# Altium PCB UmTRXv2.PcbDoc (part 17 of 25) (continued)
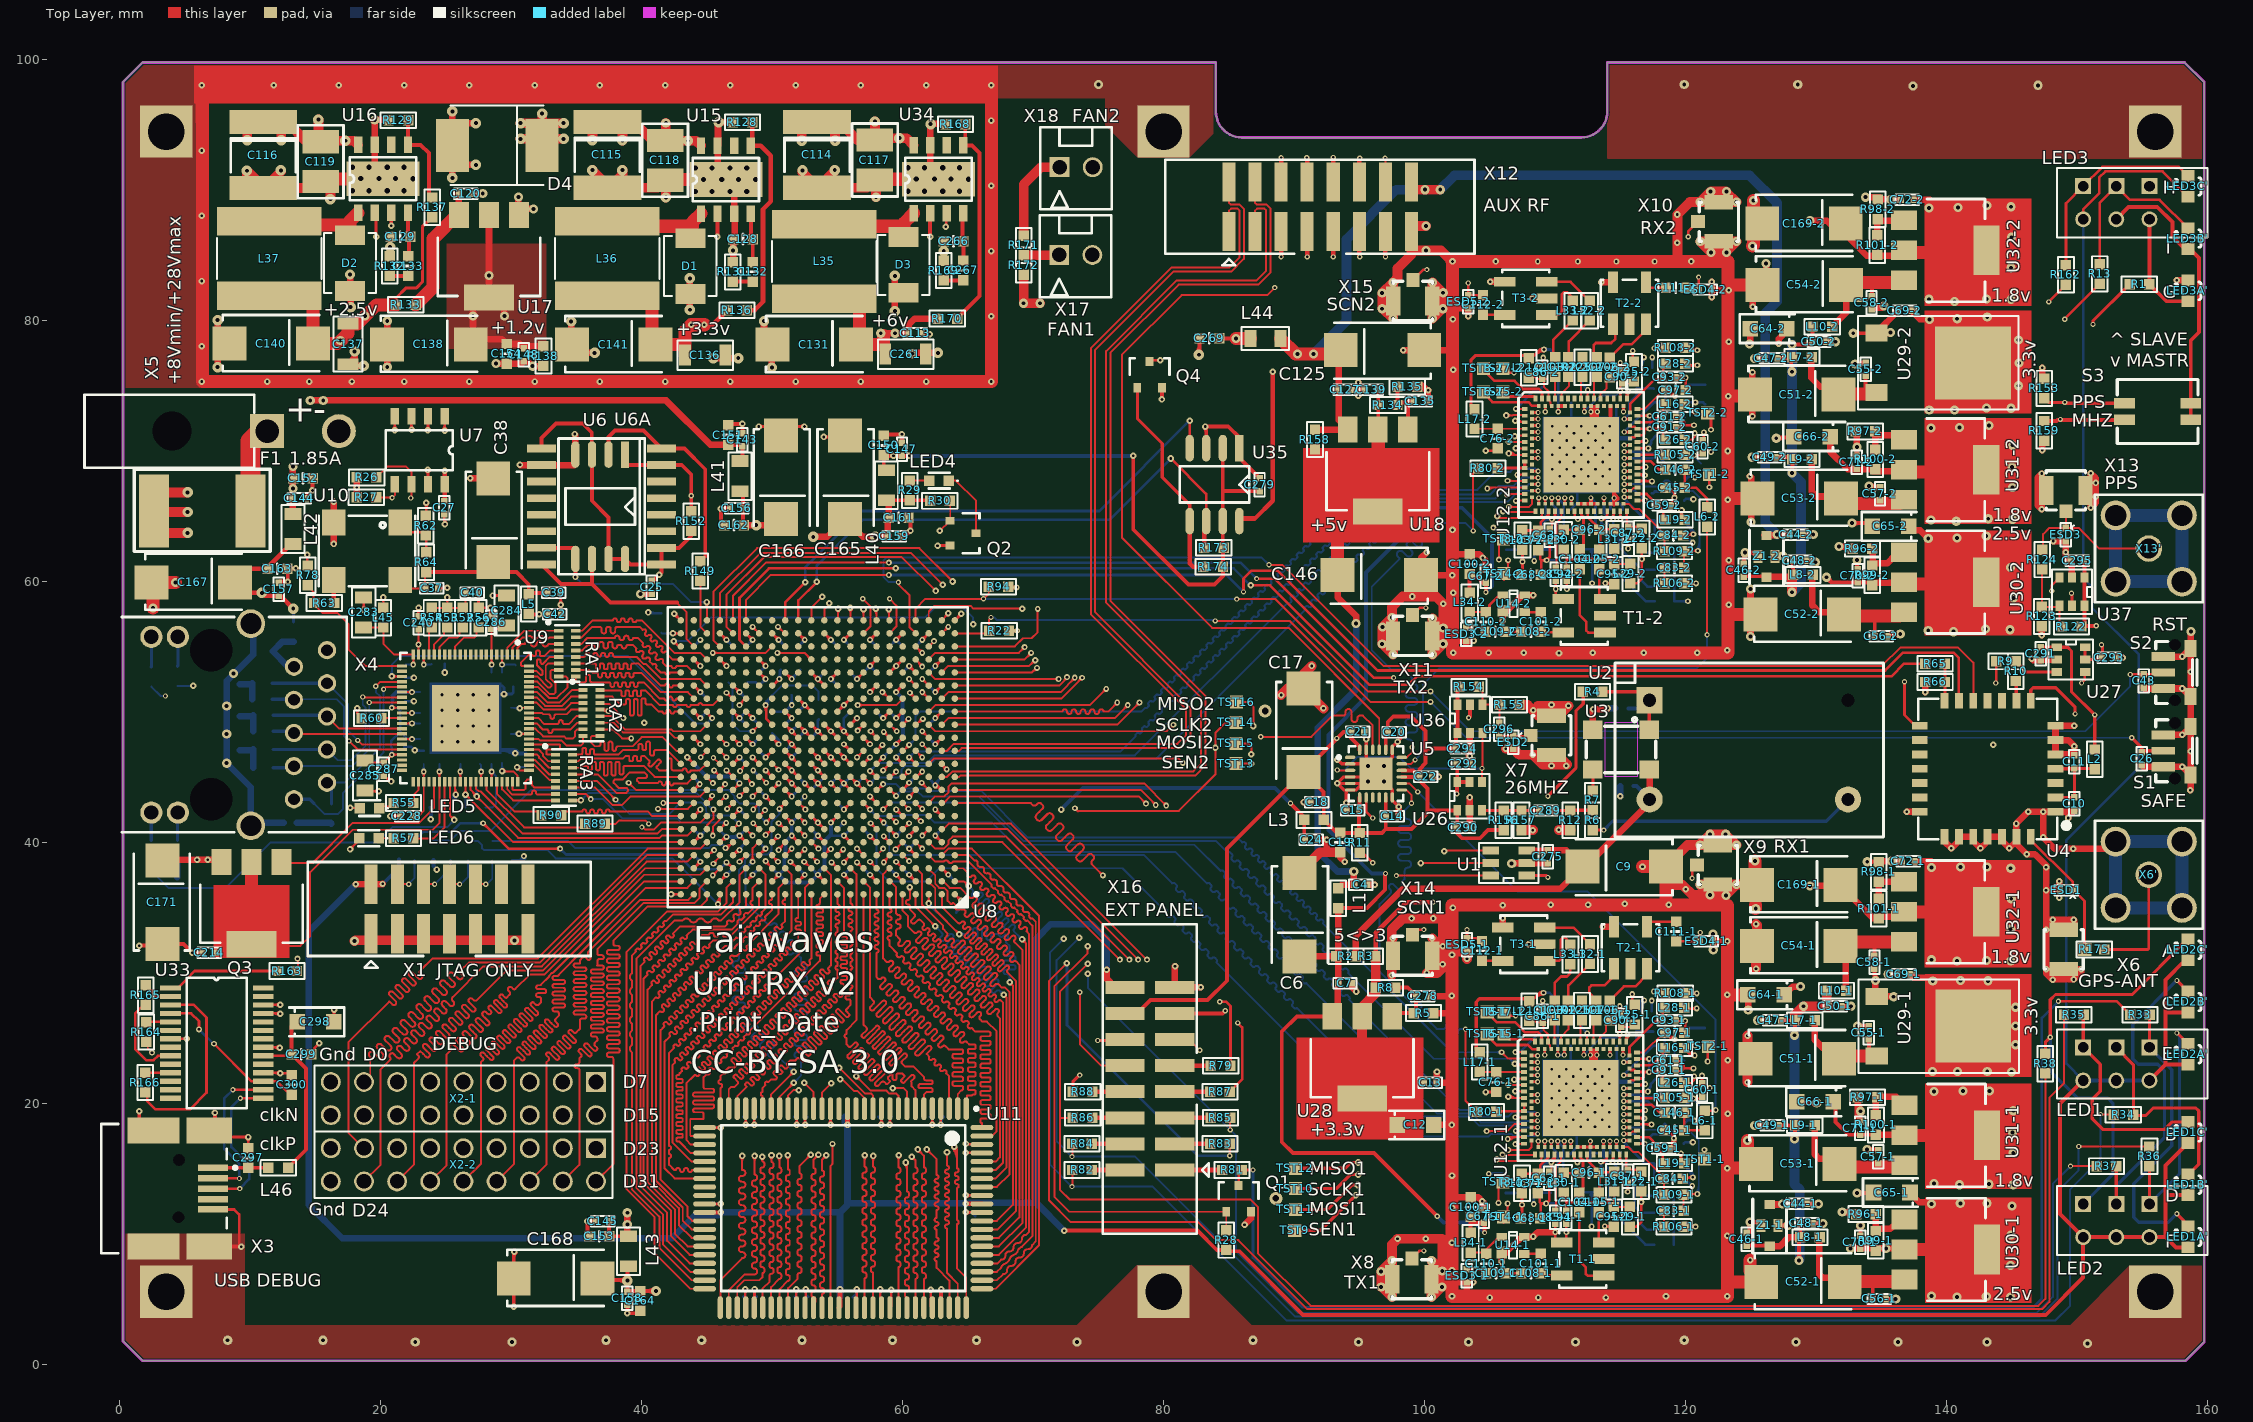
[diagram p0: Top Layer view]
## Nets (pads, with @x,y where several pads share a name; then routed paths per layer and width w, separated by ;. In a path a pad name is that pad's centre, name@x,y a point inside that pad or via, vN(x,y) a via of type N, cw(c..) or ccw(c..) an arc to the next point about the centre after c; other vN are vias at no path point) (continued)
  MidLayer1 w0.15: v1(49.25,15.9) 49.55,16.201 49.55,37.6 v2(50.45,38.5) ; v2@50.275,38.5 cw(c49.853,38.5) 50.151,38.201 cw(c50.45,37.903) v2@50.45,38.325 ; v1@49.25,16.075 ccw(c49.25,16.495) 49.547,16.198 ; v1@49.25,16.075 ccw(c49.25,16.495) 49.547,16.198 ; v1@49.25,16.075 ccw(c49.25,16.495) 49.547,16.198 ; v1@49.425,15.9 cw(c49.85,15.9) 49.549,16.201 ; v1@49.425,15.9 cw(c49.85,15.9) 49.549,16.201 ; v1@49.425,15.9 cw(c49.85,15.9) 49.549,16.201 ; 50.194,38.244 cw(c50.45,37.988) 50.45,38.35 ccw(c50.45,37.988) 50.194,38.244 ; 50.194,38.244 ccw(c49.938,38.5) 50.3,38.5 cw(c49.938,38.5) 50.194,38.244 ; v2(50.45,38.5) ccw(c50.541,38.17) 50.21,38.259 cw(c50.541,38.17) v2(50.45,38.5) ; v2(50.45,38.5) cw(c50.12,38.591) 50.209,38.26 ccw(c50.12,38.591) v2(50.45,38.5)
RAM_D07: U8.C15 U11.52 | length 51.2
  Top Layer w0.15: U11.52@46.675,4.325 46.675,5.65 47.9,6.875 48.65,6.875 ccw(c48.65,7.075) 48.85,7.075 48.85,7.125 ccw(c48.65,7.125) 48.65,7.325 cw(c48.65,7.525) 48.45,7.525 48.45,7.575 cw(c48.65,7.575) 48.65,7.775 ccw(c48.65,7.975) 48.85,7.975 48.85,8.025 ccw(c48.65,8.025) 48.65,8.225 cw(c48.65,8.425) 48.45,8.425 48.45,8.475 cw(c48.65,8.475) 48.65,8.675 ccw(c48.65,8.875) 48.85,8.875 48.85,8.925 ccw(c48.65,8.925) 48.65,9.125 cw(c48.65,9.325) 48.45,9.325 48.45,9.375 cw(c48.65,9.375) 48.65,9.575 ccw(c48.65,9.775) 48.85,9.775 48.85,9.825 ccw(c48.65,9.825) 48.65,10.025 cw(c48.65,10.225) 48.45,10.225 48.45,10.275 cw(c48.65,10.275) 48.65,10.475 ccw(c48.65,10.675) 48.85,10.675 48.85,10.725 ccw(c48.65,10.725) 48.65,10.925 cw(c48.65,11.125) 48.45,11.125 48.45,11.175 cw(c48.65,11.175) 48.65,11.375 ccw(c48.65,11.575) 48.85,11.575 48.85,11.625 ccw(c48.65,11.625) 48.65,11.825 cw(c48.65,12.025) 48.45,12.025 48.45,12.075 cw(c48.65,12.075) 48.65,12.275 ccw(c48.65,12.475) 48.85,12.475 48.85,12.525 ccw(c48.65,12.525) 48.65,12.725 cw(c48.65,12.925) 48.45,12.925 48.45,12.975 cw(c48.65,12.975) 48.65,13.175 ccw(c48.65,13.375) 48.85,13.375 48.85,13.425 ccw(c48.65,13.425) 48.65,13.625 cw(c48.65,13.825) 48.45,13.825 48.45,13.875 cw(c48.65,13.875) 48.65,14.075 ccw(c48.65,14.275) 48.85,14.275 48.85,14.325 ccw(c48.65,14.325) 48.65,14.525 v1(48.65,15.95) ; v2@49.5,38.375 cw(c49.5,38.073) 49.713,38.287 ; v2@49.675,38.55 ccw(c50.218,38.55) U8.C15@49.834,38.166 ; 49.709,38.331 ccw(c49.404,38.25) v2(49.5,38.55) ; U8.C15@50,38 49.5,38.5 v2(49.5,38.55) ; v1@48.526,15.826 cw(c48.228,15.528) 48.65,15.528 ; v1@48.526,15.826 cw(c48.228,15.528) 48.65,15.528 ; v1@48.526,15.826 cw(c48.228,15.528) 48.65,15.528 ; 48.65,15.528 cw(c49.072,15.528) v1@48.774,15.826 ; 48.65,15.528 cw(c49.072,15.528) v1@48.774,15.826 ; 48.65,15.528 cw(c49.072,15.528) v1@48.774,15.826 ; v2(49.5,38.55) ccw(c49.784,38.597) 49.709,38.319 cw(c49.784,38.597) v2(49.5,38.55) ; v2(49.5,38.55) cw(c49.359,38.173) 49.748,38.277 ccw(c49.359,38.173) v2(49.5,38.55) ; v2@49.5,38.4 cw(c49.5,38.159) 49.671,38.329 ccw(c49.5,38.159) v2@49.5,38.4 ; v2@49.65,38.55 ccw(c50.133,38.55) 49.791,38.209 cw(c50.133,38.55) v2@49.65,38.55
  MidLayer1 w0.15: v1(48.65,15.95) 49.2,16.5 49.2,38.25 v2(49.5,38.55) ; v2@49.325,38.55 cw(c48.903,38.55) 49.201,38.251 cw(c49.5,37.953) v2@49.5,38.375 ; v1@48.65,16.125 ccw(c48.65,16.547) 48.949,16.249 ; v1@48.65,16.125 ccw(c48.65,16.547) 48.949,16.249 ; v1@48.65,16.125 ccw(c48.65,16.547) 48.949,16.249 ; v1@48.825,15.95 cw(c49.247,15.95) 48.949,16.249 ; v1@48.825,15.95 cw(c49.247,15.95) 48.949,16.249 ; v1@48.825,15.95 cw(c49.247,15.95) 48.949,16.249 ; 49.244,38.294 cw(c49.5,38.038) 49.5,38.4 ccw(c49.5,38.038) 49.244,38.294 ; 49.244,38.294 ccw(c48.988,38.55) 49.35,38.55 cw(c48.988,38.55) 49.244,38.294 ; v2(49.5,38.55) ccw(c49.591,38.22) 49.26,38.309 cw(c49.591,38.22) v2(49.5,38.55) ; v2(49.5,38.55) cw(c49.17,38.641) 49.259,38.31 ccw(c49.17,38.641) v2(49.5,38.55)
RAM_D08: U8.D17 U11.51 | length 51.6
  Top Layer w0.15: U11.51@46.025,4.325 46.025,6.425 47.7,8.1 cw(c47.725,8.1) 47.725,8.125 ccw(c47.725,8.35) 47.95,8.35 ccw(c47.725,8.35) 47.725,8.575 47.675,8.575 cw(c47.675,8.8) 47.45,8.8 cw(c47.675,8.8) 47.675,9.025 47.725,9.025 ccw(c47.725,9.25) 47.95,9.25 ccw(c47.725,9.25) 47.725,9.475 47.675,9.475 cw(c47.675,9.7) 47.45,9.7 cw(c47.675,9.7) 47.675,9.925 47.725,9.925 ccw(c47.725,10.15) 47.95,10.15 ccw(c47.725,10.15) 47.725,10.375 47.675,10.375 cw(c47.675,10.6) 47.45,10.6 cw(c47.675,10.6) 47.675,10.825 47.725,10.825 ccw(c47.725,11.05) 47.95,11.05 ccw(c47.725,11.05) 47.725,11.275 47.675,11.275 cw(c47.675,11.5) 47.45,11.5 cw(c47.675,11.5) 47.675,11.725 47.725,11.725 ccw(c47.725,11.95) 47.95,11.95 ccw(c47.725,11.95) 47.725,12.175 47.675,12.175 cw(c47.675,12.4) 47.45,12.4 cw(c47.675,12.4) 47.675,12.625 47.725,12.625 ccw(c47.725,12.85) 47.95,12.85 ccw(c47.725,12.85) 47.725,13.075 47.675,13.075 cw(c47.675,13.3) 47.45,13.3 cw(c47.675,13.3) 47.675,13.525 47.725,13.525 ccw(c47.725,13.75) 47.95,13.75 ccw(c47.725,13.75) 47.725,13.975 47.675,13.975 cw(c47.675,14.2) 47.45,14.2 cw(c47.675,14.2) 47.675,14.425 47.725,14.425 ccw(c47.725,14.65) 47.95,14.65 ccw(c47.725,14.65) 47.725,14.875 cw(c47.725,14.9) 47.7,14.9 v1(47.7,15.95) ; v2@47.5,38.675 ccw(c47.5,39.097) 47.799,38.799 ccw(c48.097,38.5) v2@47.675,38.5 ; 47.689,38.701 ccw(c47.757,38.447) v2(47.5,38.5) ; 47.701,38.689 cw(c47.447,38.757) v2(47.5,38.5) ; U8.D17@48,39 v2(47.5,38.5) ; v2(47.5,38.5) ccw(c47.409,38.83) 47.74,38.741 cw(c47.409,38.83) v2(47.5,38.5) ; v2(47.5,38.5) cw(c47.83,38.409) 47.741,38.74 ccw(c47.83,38.409) v2(47.5,38.5) ; v1@47.576,15.826 cw(c47.278,15.528) 47.7,15.528 ; v1@47.576,15.826 cw(c47.278,15.528) 47.7,15.528 ; v1@47.576,15.826 cw(c47.278,15.528) 47.7,15.528 ; 47.7,15.528 cw(c48.122,15.528) v1@47.824,15.826 ; 47.7,15.528 cw(c48.122,15.528) v1@47.824,15.826 ; 47.7,15.528 cw(c48.122,15.528) v1@47.824,15.826 ; 47.756,38.756 cw(c47.5,39.012) 47.5,38.65 ccw(c47.5,39.012) 47.756,38.756 ; 47.756,38.756 ccw(c48.012,38.5) 47.65,38.5 cw(c48.012,38.5) 47.756,38.756
  MidLayer1 w0.15: v2@47.325,38.5 cw(c46.903,38.5) 47.201,38.201 cw(c47.5,37.903) v2@47.5,38.325 ; v1(47.7,15.95) 47.1,16.55 47.1,38.1 v2(47.5,38.5) ; 47.244,38.244 cw(c47.5,37.988) 47.5,38.35 ccw(c47.5,37.988) 47.244,38.244 ; 47.244,38.244 ccw(c46.988,38.5) 47.35,38.5 cw(c46.988,38.5) 47.244,38.244 ; 47.401,16.249 cw(c47.103,15.95) v1@47.525,15.95 ; 47.401,16.249 ccw(c47.7,16.547) v1@47.7,16.125 ; 47.401,16.249 ccw(c47.7,16.547) v1@47.7,16.125 ; 47.401,16.249 cw(c47.103,15.95) v1@47.525,15.95 ; 47.401,16.249 ccw(c47.7,16.547) v1@47.7,16.125 ; 47.401,16.249 cw(c47.103,15.95) v1@47.525,15.95 ; v2(47.5,38.5) ccw(c47.591,38.17) 47.26,38.259 cw(c47.591,38.17) v2(47.5,38.5) ; v2(47.5,38.5) cw(c47.17,38.591) 47.259,38.26 ccw(c47.17,38.591) v2(47.5,38.5)
RAM_D09: U8.D11 U11.68 | length 50
  Top Layer w0.15: U8.D11@54,39 54.45,39.45 v2@54.45,39.5 ; U8.D11@54.116,39.116 ccw(c53.732,39.5) 54.275,39.5 ; 54.237,39.237 cw(c54.45,39.023) v2@54.45,39.325 ; 54.296,39.27 ccw(c54.222,39.548) v2(54.5,39.475) ; 54.303,39.301 cw(c54.533,39.239) v2(54.5,39.475) ; v2@54.503,39.502 54.452,39.502 v2@54.45,39.5 ; U11.68@57.075,4.325 57.075,6.575 ccw(c57.075,6.725) 57.225,6.725 57.225,6.875 ccw(c57.075,6.875) 57.075,7.025 cw(c57.075,7.175) 56.925,7.175 56.925,7.325 cw(c57.075,7.325) 57.075,7.475 ccw(c57.075,7.625) 57.225,7.625 57.225,7.775 ccw(c57.075,7.775) 57.075,7.925 cw(c57.075,8.075) 56.925,8.075 56.925,8.225 cw(c57.075,8.225) 57.075,8.375 ccw(c57.075,8.525) 57.225,8.525 57.225,8.675 ccw(c57.075,8.675) 57.075,8.825 cw(c57.075,8.975) 56.925,8.975 56.925,9.125 cw(c57.075,9.125) 57.075,9.275 ccw(c57.075,9.425) 57.225,9.425 57.225,9.575 ccw(c57.075,9.575) 57.075,9.725 cw(c57.075,9.875) 56.925,9.875 56.925,10.025 cw(c57.075,10.025) 57.075,10.175 ccw(c57.075,10.325) 57.225,10.325 57.225,10.475 ccw(c57.075,10.475) 57.075,10.625 cw(c57.075,10.775) 56.925,10.775 56.925,10.925 cw(c57.075,10.925) 57.075,11.075 ccw(c57.075,11.225) 57.225,11.225 57.225,11.375 ccw(c57.075,11.375) 57.075,11.525 cw(c57.075,11.675) 56.925,11.675 56.925,11.825 cw(c57.075,11.825) 57.075,11.975 ccw(c57.075,12.125) 57.225,12.125 57.225,12.275 ccw(c57.075,12.275) 57.075,12.425 cw(c57.075,12.575) 56.925,12.575 56.925,12.725 cw(c57.075,12.725) 57.075,12.875 ccw(c57.075,13.025) 57.225,13.025 57.225,13.175 ccw(c57.075,13.175) 57.075,13.325 cw(c57.075,13.475) 56.925,13.475 56.925,13.625 cw(c57.075,13.625) 57.075,13.775 ccw(c57.075,13.925) 57.225,13.925 57.225,14.075 ccw(c57.075,14.075) 57.075,14.225 cw(c57.075,14.375) 56.925,14.375 56.925,14.525 cw(c57.075,14.525) 57.075,14.675 ccw(c57.075,14.825) 57.225,14.825 57.225,14.975 ccw(c57.075,14.975) 57.075,15.125 57.075,15.975 v1(57.1,16) ; 54.301,39.351 cw(c54.358,39.293) 54.407,39.357 ccw(c54.358,39.293) 54.301,39.351 ; 54.301,39.351 ccw(c54.181,39.47) 54.35,39.473 cw(c54.181,39.47) 54.301,39.351 ; 54.301,39.351 v2@54.45,39.5 ; v2(54.5,39.475) cw(c54.256,39.533) 54.321,39.29 ccw(c54.256,39.533) v2(54.5,39.475) ; v1@56.976,15.876 cw(c56.738,15.638) 57.075,15.638 ; v1@56.976,15.876 cw(c56.738,15.638) 57.075,15.638 ; v1@56.976,15.876 cw(c56.738,15.638) 57.075,15.638 ; 57.075,15.517 cw(c57.583,15.517) v1@57.224,15.876 ; 57.075,15.517 cw(c57.583,15.517) v1@57.224,15.876 ; 57.075,15.517 cw(c57.583,15.517) v1@57.224,15.876 ; 54.201,39.201 cw(c54.5,38.903) 54.5,39.325 ccw(c54.5,38.903) 54.201,39.201 ; 54.262,39.262 ccw(c54.048,39.475) 54.35,39.475 cw(c54.048,39.475) 54.262,39.262
  Mid-Layer 2 w0.15: v2@54.45,39.325 cw(c54.45,38.903) 54.749,39.201 cw(c55.047,39.5) v2@54.625,39.5 ; v2@54.503,39.502 54.452,39.502 54.45,39.5 55,38.95 55,36.875 57.4,34.475 57.4,21.3 57.075,20.975 57.075,16.025 v1(57.1,16) ; v1@56.976,16.124 ccw(c56.738,16.362) 57.075,16.362 ; v1@56.976,16.124 ccw(c56.738,16.362) 57.075,16.362 ; v1@56.976,16.124 ccw(c56.738,16.362) 57.075,16.362 ; 57.075,16.483 ccw(c57.583,16.483) v1@57.224,16.124 ; 57.075,16.483 ccw(c57.583,16.483) v1@57.224,16.124 ; 57.075,16.483 ccw(c57.583,16.483) v1@57.224,16.124 ; v2@54.5,39.325 cw(c54.5,39.023) 54.713,39.237 ccw(c54.5,39.023) v2@54.5,39.325 ; v2@54.65,39.475 ccw(c55.072,39.475) 54.774,39.176 cw(c55.072,39.475) v2@54.65,39.475
RAM_D10: U8.D10 U11.69 | length 49.6
  Top Layer w0.15: U8.D10@55,39 v2(55.45,39.45) ; 55.249,39.261 cw(c55.503,39.193) v2(55.45,39.45) ; 55.261,39.249 ccw(c55.193,39.503) v2(55.45,39.45) ; v2@55.275,39.45 cw(c54.853,39.45) 55.151,39.151 cw(c55.45,38.853) v2@55.45,39.275 ; U11.69@57.725,4.325 57.725,7.025 cw(c57.725,7.175) 57.575,7.175 57.575,7.325 cw(c57.725,7.325) 57.725,7.475 ccw(c57.725,7.625) 57.875,7.625 57.875,7.775 ccw(c57.725,7.775) 57.725,7.925 cw(c57.725,8.075) 57.575,8.075 57.575,8.225 cw(c57.725,8.225) 57.725,8.375 ccw(c57.725,8.525) 57.875,8.525 57.875,8.675 ccw(c57.725,8.675) 57.725,8.825 cw(c57.725,8.975) 57.575,8.975 57.575,9.125 cw(c57.725,9.125) 57.725,9.275 ccw(c57.725,9.425) 57.875,9.425 57.875,9.575 ccw(c57.725,9.575) 57.725,9.725 cw(c57.725,9.875) 57.575,9.875 57.575,10.025 cw(c57.725,10.025) 57.725,10.175 ccw(c57.725,10.325) 57.875,10.325 57.875,10.475 ccw(c57.725,10.475) 57.725,10.625 cw(c57.725,10.775) 57.575,10.775 57.575,10.925 cw(c57.725,10.925) 57.725,11.075 ccw(c57.725,11.225) 57.875,11.225 57.875,11.375 ccw(c57.725,11.375) 57.725,11.525 cw(c57.725,11.675) 57.575,11.675 57.575,11.825 cw(c57.725,11.825) 57.725,11.975 ccw(c57.725,12.125) 57.875,12.125 57.875,12.275 ccw(c57.725,12.275) 57.725,12.425 cw(c57.725,12.575) 57.575,12.575 57.575,12.725 cw(c57.725,12.725) 57.725,12.875 ccw(c57.725,13.025) 57.875,13.025 57.875,13.175 ccw(c57.725,13.175) 57.725,13.325 cw(c57.725,13.475) 57.575,13.475 57.575,13.625 cw(c57.725,13.625) 57.725,13.775 ccw(c57.725,13.925) 57.875,13.925 57.875,14.075 ccw(c57.725,14.075) 57.725,14.225 cw(c57.725,14.375) 57.575,14.375 57.575,14.525 cw(c57.725,14.525) 57.725,14.675 ccw(c57.725,14.825) 57.875,14.825 57.875,14.975 ccw(c57.725,14.975) 57.725,15.125 v1@57.725,15.925 ; 55.194,39.194 cw(c55.45,38.938) 55.45,39.3 ccw(c55.45,38.938) 55.194,39.194 ; 55.194,39.194 ccw(c54.938,39.45) 55.3,39.45 cw(c54.938,39.45) 55.194,39.194 ; v2(55.45,39.45) ccw(c55.541,39.12) 55.21,39.209 cw(c55.541,39.12) v2(55.45,39.45) ; v2(55.45,39.45) cw(c55.12,39.541) 55.209,39.21 ccw(c55.12,39.541) v2(55.45,39.45) ; v1@57.626,15.826 cw(c57.388,15.588) 57.725,15.588 ; v1@57.626,15.826 cw(c57.388,15.588) 57.725,15.588 ; v1@57.626,15.826 cw(c57.388,15.588) 57.725,15.588 ; 57.725,15.467 cw(c58.233,15.467) v1@57.874,15.826 ; 57.725,15.467 cw(c58.233,15.467) v1@57.874,15.826 ; 57.725,15.467 cw(c58.233,15.467) v1@57.874,15.826
  Mid-Layer 2 w0.15: v2@55.45,39.275 cw(c55.45,38.853) 55.749,39.151 cw(c56.047,39.45) v2@55.625,39.45 ; v1(57.75,15.95) 57.925,16.125 57.925,20.225 58.7,21 58.7,34.4 55.95,37.15 55.95,38.95 v2(55.45,39.45) ; v2(55.45,39.45) ccw(c55.78,39.541) 55.691,39.21 cw(c55.78,39.541) v2(55.45,39.45) ; v2(55.45,39.45) cw(c55.359,39.12) 55.69,39.209 ccw(c55.359,39.12) v2(55.45,39.45) ; 55.706,39.194 cw(c55.962,39.45) 55.6,39.45 ccw(c55.962,39.45) 55.706,39.194 ; 55.706,39.194 ccw(c55.45,38.938) 55.45,39.3 cw(c55.45,38.938) 55.706,39.194
RAM_D11: U8.C10 U11.72 | length 49.5
  Top Layer w0.15: v2@54.55,38.275 cw(c54.55,37.853) 54.849,38.151 cw(c55.147,38.45) v2@54.725,38.45 ; v2@54.6,38.45 v2(54.55,38.45) ; 54.739,38.249 cw(c54.807,38.503) v2(54.55,38.45) ; 54.751,38.261 ccw(c54.497,38.193) v2(54.55,38.45) ; U8.C10@55,38 v2(54.55,38.45) ; U11.72@59.675,4.325 59.675,7.425 ccw(c59.675,7.575) 59.825,7.575 59.825,7.725 ccw(c59.675,7.725) 59.675,7.875 cw(c59.675,8.025) 59.525,8.025 59.525,8.175 cw(c59.675,8.175) 59.675,8.325 ccw(c59.675,8.475) 59.825,8.475 59.825,8.625 ccw(c59.675,8.625) 59.675,8.775 cw(c59.675,8.925) 59.525,8.925 59.525,9.075 cw(c59.675,9.075) 59.675,9.225 ccw(c59.675,9.375) 59.825,9.375 59.825,9.525 ccw(c59.675,9.525) 59.675,9.675 cw(c59.675,9.825) 59.525,9.825 59.525,9.975 cw(c59.675,9.975) 59.675,10.125 ccw(c59.675,10.275) 59.825,10.275 59.825,10.425 ccw(c59.675,10.425) 59.675,10.575 cw(c59.675,10.725) 59.525,10.725 59.525,10.875 cw(c59.675,10.875) 59.675,11.025 ccw(c59.675,11.175) 59.825,11.175 59.825,11.325 ccw(c59.675,11.325) 59.675,11.475 cw(c59.675,11.625) 59.525,11.625 59.525,11.775 cw(c59.675,11.775) 59.675,11.925 ccw(c59.675,12.075) 59.825,12.075 59.825,12.225 ccw(c59.675,12.225) 59.675,12.375 cw(c59.675,12.525) 59.525,12.525 59.525,12.675 cw(c59.675,12.675) 59.675,12.825 ccw(c59.675,12.975) 59.825,12.975 59.825,13.125 ccw(c59.675,13.125) 59.675,13.275 cw(c59.675,13.425) 59.525,13.425 59.525,13.575 cw(c59.675,13.575) 59.675,13.725 ccw(c59.675,13.875) 59.825,13.875 59.825,14.025 ccw(c59.675,14.025) 59.675,14.175 cw(c59.675,14.325) 59.525,14.325 59.525,14.475 cw(c59.675,14.475) 59.675,14.625 ccw(c59.675,14.775) 59.825,14.775 59.825,14.925 ccw(c59.675,14.925) 59.675,15.075 59.675,15.975 v1(59.7,16) ; v2(54.55,38.45) ccw(c54.88,38.541) 54.791,38.21 cw(c54.88,38.541) v2(54.55,38.45) ; v2(54.55,38.45) cw(c54.459,38.12) 54.79,38.209 ccw(c54.459,38.12) v2(54.55,38.45) ; 54.806,38.194 cw(c55.062,38.45) 54.7,38.45 ccw(c55.062,38.45) 54.806,38.194 ; 54.806,38.194 ccw(c54.55,37.938) 54.55,38.3 cw(c54.55,37.938) 54.806,38.194 ; v1@59.576,15.876 cw(c59.338,15.638) 59.675,15.638 ; v1@59.576,15.876 cw(c59.338,15.638) 59.675,15.638 ; v1@59.576,15.876 cw(c59.338,15.638) 59.675,15.638 ; 59.675,15.517 cw(c60.183,15.517) v1@59.824,15.876 ; 59.675,15.517 cw(c60.183,15.517) v1@59.824,15.876 ; 59.675,15.517 cw(c60.183,15.517) v1@59.824,15.876
  MidLayer1 w0.15: v2@54.426,38.326 cw(c54.128,38.028) 54.55,38.028 cw(c54.972,38.028) v2@54.674,38.326 ; v2(54.55,38.45) 54.55,37.7 59.7,32.55 v1(59.7,16) ; 54.55,38.088 cw(c54.912,38.088) 54.656,38.344 ccw(c54.912,38.088) 54.55,38.088 ; 54.55,38.088 ccw(c54.188,38.088) 54.444,38.344 cw(c54.188,38.088) 54.55,38.088 ; v1@59.576,16.124 ccw(c59.278,16.422) 59.7,16.422 ; v1@59.576,16.124 ccw(c59.278,16.422) 59.7,16.422 ; v1@59.576,16.124 ccw(c59.278,16.422) 59.7,16.422 ; 59.7,16.422 ccw(c60.122,16.422) v1@59.824,16.124 ; 59.7,16.422 ccw(c60.122,16.422) v1@59.824,16.124 ; 59.7,16.422 ccw(c60.122,16.422) v1@59.824,16.124
RAM_D12: U8.D9 U11.73 | length 51.5
  Top Layer w0.15: v2@55.5,38.625 ccw(c55.5,38.927) 55.713,38.713 ; v2@55.675,38.45 cw(c56.218,38.45) U8.D9@55.834,38.834 ; 55.709,38.669 cw(c55.404,38.75) v2(55.5,38.45) ; U8.D9@56,39 55.5,38.5 v2(55.5,38.45) ; v1(60.25,15.45) 60.325,15.375 60.325,13.225 cw(c60.325,13.075) 60.475,13.075 60.475,12.925 cw(c60.325,12.925) 60.325,12.775 ccw(c60.325,12.625) 60.175,12.625 60.175,12.475 ccw(c60.325,12.475) 60.325,12.325 cw(c60.325,12.175) 60.475,12.175 60.475,12.025 cw(c60.325,12.025) 60.325,11.875 ccw(c60.325,11.725) 60.175,11.725 60.175,11.575 ccw(c60.325,11.575) 60.325,11.425 cw(c60.325,11.275) 60.475,11.275 60.475,11.125 cw(c60.325,11.125) 60.325,10.975 ccw(c60.325,10.825) 60.175,10.825 60.175,10.675 ccw(c60.325,10.675) 60.325,10.525 cw(c60.325,10.375) 60.475,10.375 60.475,10.225 cw(c60.325,10.225) 60.325,10.075 ccw(c60.325,9.925) 60.175,9.925 60.175,9.775 ccw(c60.325,9.775) 60.325,9.625 cw(c60.325,9.475) 60.475,9.475 60.475,9.325 cw(c60.325,9.325) 60.325,9.175 ccw(c60.325,9.025) 60.175,9.025 60.175,8.875 ccw(c60.325,8.875) 60.325,8.725 cw(c60.325,8.575) 60.475,8.575 60.475,8.425 cw(c60.325,8.425) 60.325,8.275 ccw(c60.325,8.125) 60.175,8.125 60.175,7.975 ccw(c60.325,7.975) 60.325,7.825 cw(c60.325,7.675) 60.475,7.675 60.475,7.525 cw(c60.325,7.525) 60.325,7.375 ccw(c60.325,7.225) 60.175,7.225 60.175,7.075 ccw(c60.325,7.075) 60.325,6.925 cw(c60.325,6.775) 60.475,6.775 60.475,6.625 cw(c60.325,6.625) 60.325,6.475 ccw(c60.325,6.325) 60.175,6.325 60.175,6.175 ccw(c60.325,6.175) 60.325,6.025 cw(c60.325,5.875) 60.475,5.875 60.475,5.725 cw(c60.325,5.725) 60.325,5.575 ccw(c60.325,5.425) 60.175,5.425 60.175,5.275 ccw(c60.325,5.275) 60.325,5.125 U11.73@60.325,4.325 ; v2(55.5,38.45) ccw(c55.359,38.827) 55.748,38.723 cw(c55.359,38.827) v2(55.5,38.45) ; v2(55.5,38.45) cw(c55.784,38.403) 55.709,38.681 ccw(c55.784,38.403) v2(55.5,38.45) ; v1@60.126,15.326 cw(c59.646,14.846) 60.325,14.846 ; v1@60.126,15.326 cw(c59.646,14.846) 60.325,14.846 ; v1@60.126,15.326 cw(c59.646,14.846) 60.325,14.846 ; v1@60.232,15.432 cw(c60.009,15.209) 60.325,15.209 ; v1@60.232,15.432 cw(c60.009,15.209) 60.325,15.209 ; v1@60.232,15.432 cw(c60.009,15.209) 60.325,15.209 ; 60.325,15.209 cw(c60.491,15.209) v1@60.374,15.326 ; 60.325,15.209 cw(c60.491,15.209) v1@60.374,15.326 ; 60.325,15.209 cw(c60.491,15.209) v1@60.374,15.326 ; v2@55.5,38.6 ccw(c55.5,38.841) 55.671,38.671 cw(c55.5,38.841) v2@55.5,38.6 ; v2@55.65,38.45 cw(c56.133,38.45) 55.791,38.791 ccw(c56.133,38.45) v2@55.65,38.45
  MidLayer1 w0.15: v2@55.5,38.275 cw(c55.5,37.853) 55.799,38.151 cw(c56.097,38.45) v2@55.675,38.45 ; v1(60.25,15.45) 60.25,33.3 56.15,37.4 56.15,37.8 v2(55.5,38.45) ; v2(55.5,38.45) ccw(c55.83,38.541) 55.741,38.21 cw(c55.83,38.541) v2(55.5,38.45) ; v2(55.5,38.45) cw(c55.409,38.12) 55.74,38.209 ccw(c55.409,38.12) v2(55.5,38.45) ; 55.756,38.194 cw(c56.012,38.45) 55.65,38.45 ccw(c56.012,38.45) 55.756,38.194 ; 55.756,38.194 ccw(c55.5,37.938) 55.5,38.3 cw(c55.5,37.938) 55.756,38.194 ; v1@60.126,15.574 ccw(c59.828,15.872) 60.25,15.872 ; v1@60.126,15.574 ccw(c59.828,15.872) 60.25,15.872 ; v1@60.126,15.574 ccw(c59.828,15.872) 60.25,15.872 ; 60.25,15.872 ccw(c60.672,15.872) v1@60.374,15.574 ; 60.25,15.872 ccw(c60.672,15.872) v1@60.374,15.574 ; 60.25,15.872 ccw(c60.672,15.872) v1@60.374,15.574
RAM_D13: U8.C8 U11.74 | length 49.2
  Top Layer w0.15: v2@56.5,38.275 cw(c56.5,37.853) 56.799,38.151 cw(c57.097,38.45) v2@56.675,38.45 ; 56.689,38.249 cw(c56.757,38.503) v2(56.5,38.45) ; 56.701,38.261 ccw(c56.447,38.193) v2(56.5,38.45) ; U8.C8@56.975,37.975 v2(56.5,38.45) ; v1(60.7,15.9) 60.975,15.625 ; U11.74@60.975,4.325 60.975,6.525 ccw(c60.975,6.675) 61.125,6.675 61.125,6.825 ccw(c60.975,6.825) 60.975,6.975 cw(c60.975,7.125) 60.825,7.125 60.825,7.275 cw(c60.975,7.275) 60.975,7.425 ccw(c60.975,7.575) 61.125,7.575 61.125,7.725 ccw(c60.975,7.725) 60.975,7.875 cw(c60.975,8.025) 60.825,8.025 60.825,8.175 cw(c60.975,8.175) 60.975,8.325 ccw(c60.975,8.475) 61.125,8.475 61.125,8.625 ccw(c60.975,8.625) 60.975,8.775 cw(c60.975,8.925) 60.825,8.925 60.825,9.075 cw(c60.975,9.075) 60.975,9.225 ccw(c60.975,9.375) 61.125,9.375 61.125,9.525 ccw(c60.975,9.525) 60.975,9.675 cw(c60.975,9.825) 60.825,9.825 60.825,9.975 cw(c60.975,9.975) 60.975,10.125 ccw(c60.975,10.275) 61.125,10.275 61.125,10.425 ccw(c60.975,10.425) 60.975,10.575 cw(c60.975,10.725) 60.825,10.725 60.825,10.875 cw(c60.975,10.875) 60.975,11.025 ccw(c60.975,11.175) 61.125,11.175 61.125,11.325 ccw(c60.975,11.325) 60.975,11.475 cw(c60.975,11.625) 60.825,11.625 60.825,11.775 cw(c60.975,11.775) 60.975,11.925 ccw(c60.975,12.075) 61.125,12.075 61.125,12.225 ccw(c60.975,12.225) 60.975,12.375 cw(c60.975,12.525) 60.825,12.525 60.825,12.675 cw(c60.975,12.675) 60.975,12.825 ccw(c60.975,12.975) 61.125,12.975 61.125,13.125 ccw(c60.975,13.125) 60.975,13.275 cw(c60.975,13.425) 60.825,13.425 60.825,13.575 cw(c60.975,13.575) 60.975,13.725 ccw(c60.975,13.875) 61.125,13.875 61.125,14.025 ccw(c60.975,14.025) 60.975,14.175 cw(c60.975,14.325) 60.825,14.325 60.825,14.475 cw(c60.975,14.475) 60.975,14.625 ccw(c60.975,14.775) 61.125,14.775 61.125,14.925 ccw(c60.975,14.925) 60.975,15.075 60.975,15.625 ; v2(56.5,38.45) ccw(c56.83,38.541) 56.741,38.21 cw(c56.83,38.541) v2(56.5,38.45) ; v2(56.5,38.45) cw(c56.409,38.12) 56.74,38.209 ccw(c56.409,38.12) v2(56.5,38.45) ; 56.756,38.194 cw(c57.012,38.45) 56.65,38.45 ccw(c57.012,38.45) 56.756,38.194 ; 56.756,38.194 ccw(c56.5,37.938) 56.5,38.3 cw(c56.5,37.938) 56.756,38.194 ; v1@60.711,15.725 cw(c60.731,15.381) 60.975,15.625 ; v1@60.711,15.725 cw(c60.731,15.381) 60.975,15.625 ; v1@60.711,15.725 cw(c60.731,15.381) 60.975,15.625 ; v1@60.875,15.889 ccw(c61.219,15.869) 60.975,15.625 ; v1@60.875,15.889 ccw(c61.219,15.869) 60.975,15.625 ; v1@60.875,15.889 ccw(c61.219,15.869) 60.975,15.625
  MidLayer1 w0.15: v2@56.376,38.326 cw(c56.078,38.028) 56.5,38.028 cw(c56.922,38.028) v2@56.624,38.326 ; v2(56.5,38.45) 56.5,37.7 60.7,33.5 v1(60.7,15.9) ; 56.5,38.088 cw(c56.862,38.088) 56.606,38.344 ccw(c56.862,38.088) 56.5,38.088 ; 56.5,38.088 ccw(c56.138,38.088) 56.394,38.344 cw(c56.138,38.088) 56.5,38.088 ; v1@60.576,16.024 ccw(c60.278,16.322) 60.7,16.322 ; v1@60.576,16.024 ccw(c60.278,16.322) 60.7,16.322 ; v1@60.576,16.024 ccw(c60.278,16.322) 60.7,16.322 ; 60.7,16.322 ccw(c61.122,16.322) v1@60.824,16.024 ; 60.7,16.322 ccw(c61.122,16.322) v1@60.824,16.024 ; 60.7,16.322 ccw(c61.122,16.322) v1@60.824,16.024
RAM_D14: U8.C7 U11.75 | length 57
  Top Layer w0.15: v2@57.5,38.325 cw(c57.5,37.903) 57.799,38.201 cw(c58.097,38.5) v2@57.675,38.5 ; v2@57.55,38.5 v2(57.5,38.5) ; 57.689,38.299 cw(c57.757,38.553) v2(57.5,38.5) ; 57.701,38.311 ccw(c57.447,38.243) v2(57.5,38.5) ; U8.C7@58,38 v2(57.5,38.5) ; v1(61.15,16.45) 61.625,15.975 61.625,15.075 cw(c61.625,14.925) 61.775,14.925 61.775,14.775 cw(c61.625,14.775) 61.625,14.625 ccw(c61.625,14.475) 61.475,14.475 61.475,14.325 ccw(c61.625,14.325) 61.625,14.175 cw(c61.625,14.025) 61.775,14.025 61.775,13.875 cw(c61.625,13.875) 61.625,13.725 ccw(c61.625,13.575) 61.475,13.575 61.475,13.425 ccw(c61.625,13.425) 61.625,13.275 cw(c61.625,13.125) 61.775,13.125 61.775,12.975 cw(c61.625,12.975) 61.625,12.825 ccw(c61.625,12.675) 61.475,12.675 61.475,12.525 ccw(c61.625,12.525) 61.625,12.375 cw(c61.625,12.225) 61.775,12.225 61.775,12.075 cw(c61.625,12.075) 61.625,11.925 ccw(c61.625,11.775) 61.475,11.775 61.475,11.625 ccw(c61.625,11.625) 61.625,11.475 cw(c61.625,11.325) 61.775,11.325 61.775,11.175 cw(c61.625,11.175) 61.625,11.025 ccw(c61.625,10.875) 61.475,10.875 61.475,10.725 ccw(c61.625,10.725) 61.625,10.575 cw(c61.625,10.425) 61.775,10.425 61.775,10.275 cw(c61.625,10.275) 61.625,10.125 ccw(c61.625,9.975) 61.475,9.975 61.475,9.825 ccw(c61.625,9.825) 61.625,9.675 cw(c61.625,9.525) 61.775,9.525 61.775,9.375 cw(c61.625,9.375) 61.625,9.225 ccw(c61.625,9.075) 61.475,9.075 61.475,8.925 ccw(c61.625,8.925) 61.625,8.775 cw(c61.625,8.625) 61.775,8.625 61.775,8.475 cw(c61.625,8.475) 61.625,8.325 ccw(c61.625,8.175) 61.475,8.175 61.475,8.025 ccw(c61.625,8.025) 61.625,7.875 cw(c61.625,7.725) 61.775,7.725 61.775,7.575 cw(c61.625,7.575) 61.625,7.425 ccw(c61.625,7.275) 61.475,7.275 61.475,7.125 ccw(c61.625,7.125) 61.625,6.975 cw(c61.625,6.825) 61.775,6.825 61.775,6.675 cw(c61.625,6.675) 61.625,6.525 U11.75@61.625,4.325 ; v2(57.5,38.5) ccw(c57.83,38.591) 57.741,38.26 cw(c57.83,38.591) v2(57.5,38.5) ; v2(57.5,38.5) cw(c57.409,38.17) 57.74,38.259 ccw(c57.409,38.17) v2(57.5,38.5) ; 57.756,38.244 cw(c58.012,38.5) 57.65,38.5 ccw(c58.012,38.5) 57.756,38.244 ; 57.756,38.244 ccw(c57.5,37.988) 57.5,38.35 cw(c57.5,37.988) 57.756,38.244 ; v1@61.145,16.426 cw(c61.08,16.106) 61.395,16.19 ; v1@61.145,16.426 cw(c61.08,16.106) 61.395,16.19 ; v1@61.145,16.426 cw(c61.08,16.106) 61.395,16.19 ; v1@61.15,16.275 cw(c61.15,15.853) 61.449,16.151 ; v1@61.15,16.275 cw(c61.15,15.853) 61.449,16.151 ; v1@61.15,16.275 cw(c61.15,15.853) 61.449,16.151 ; v1@61.174,16.455 ccw(c61.494,16.52) 61.41,16.205 ; v1@61.174,16.455 ccw(c61.494,16.52) 61.41,16.205 ; v1@61.174,16.455 ccw(c61.494,16.52) 61.41,16.205 ; v1@61.325,16.45 ccw(c61.747,16.45) 61.449,16.151 ; v1@61.325,16.45 ccw(c61.747,16.45) 61.449,16.151 ; v1@61.325,16.45 ccw(c61.747,16.45) 61.449,16.151
  MidLayer1 w0.15: v2@57.44,38.363 cw(c57.339,38.133) 57.581,38.198 cw(c57.823,38.263) v2@57.621,38.411 ; v2@57.525,38.5 ccw(c58.189,38.5) 57.719,38.031 ; v2@57.675,38.5 ccw(c58.701,38.5) 57.976,37.774 ; 57.73,38.2 ccw(c57.253,38.072) v2(57.5,38.5) ; v1(61.15,16.45) 61.15,34.6 57.5,38.25 ; 57.5,38.25 cw(c57.633,38.25) 57.571,38.368 ccw(c57.633,38.25) 57.5,38.25 ; 57.5,38.25 ccw(c57.367,38.25) 57.429,38.368 cw(c57.367,38.25) 57.5,38.25 ; 57.5,38.25 v2(57.5,38.5) ; v2(57.5,38.5) ccw(c58.104,38.5) 57.677,38.073 cw(c58.104,38.5) v2(57.5,38.5) ; v2(57.5,38.5) cw(c57.211,38) 57.769,38.15 ccw(c57.211,38) v2(57.5,38.5) ; v1@61.026,16.574 ccw(c60.728,16.872) 61.15,16.872 ; v1@61.026,16.574 ccw(c60.728,16.872) 61.15,16.872 ; v1@61.026,16.574 ccw(c60.728,16.872) 61.15,16.872 ; 61.15,16.872 ccw(c61.572,16.872) v1@61.274,16.574 ; 61.15,16.872 ccw(c61.572,16.872) v1@61.274,16.574 ; 61.15,16.872 ccw(c61.572,16.872) v1@61.274,16.574 ; v2@57.432,38.366 cw(c57.26,38.03) 57.625,38.128 ccw(c57.26,38.03) v2@57.432,38.366 ; 57.602,38.213 cw(c57.872,38.285) 57.63,38.425 ccw(c57.872,38.285) 57.602,38.213 ; v2@57.65,38.5 ccw(c58.616,38.5) 57.933,37.817 cw(c58.616,38.5) v2@57.65,38.5